# Altium PCB MercurialSDR.PcbDoc (part 3 of 6)
Units mil, origin at the board's own origin, x right, y up, seen from the top; angles counter-clockwise.
Board outline 3937.01 x 2362.2 mil, 2 copper layers (Top Layer, Bottom Layer); 147 components, 115 nets, 574 pads, 237 vias.
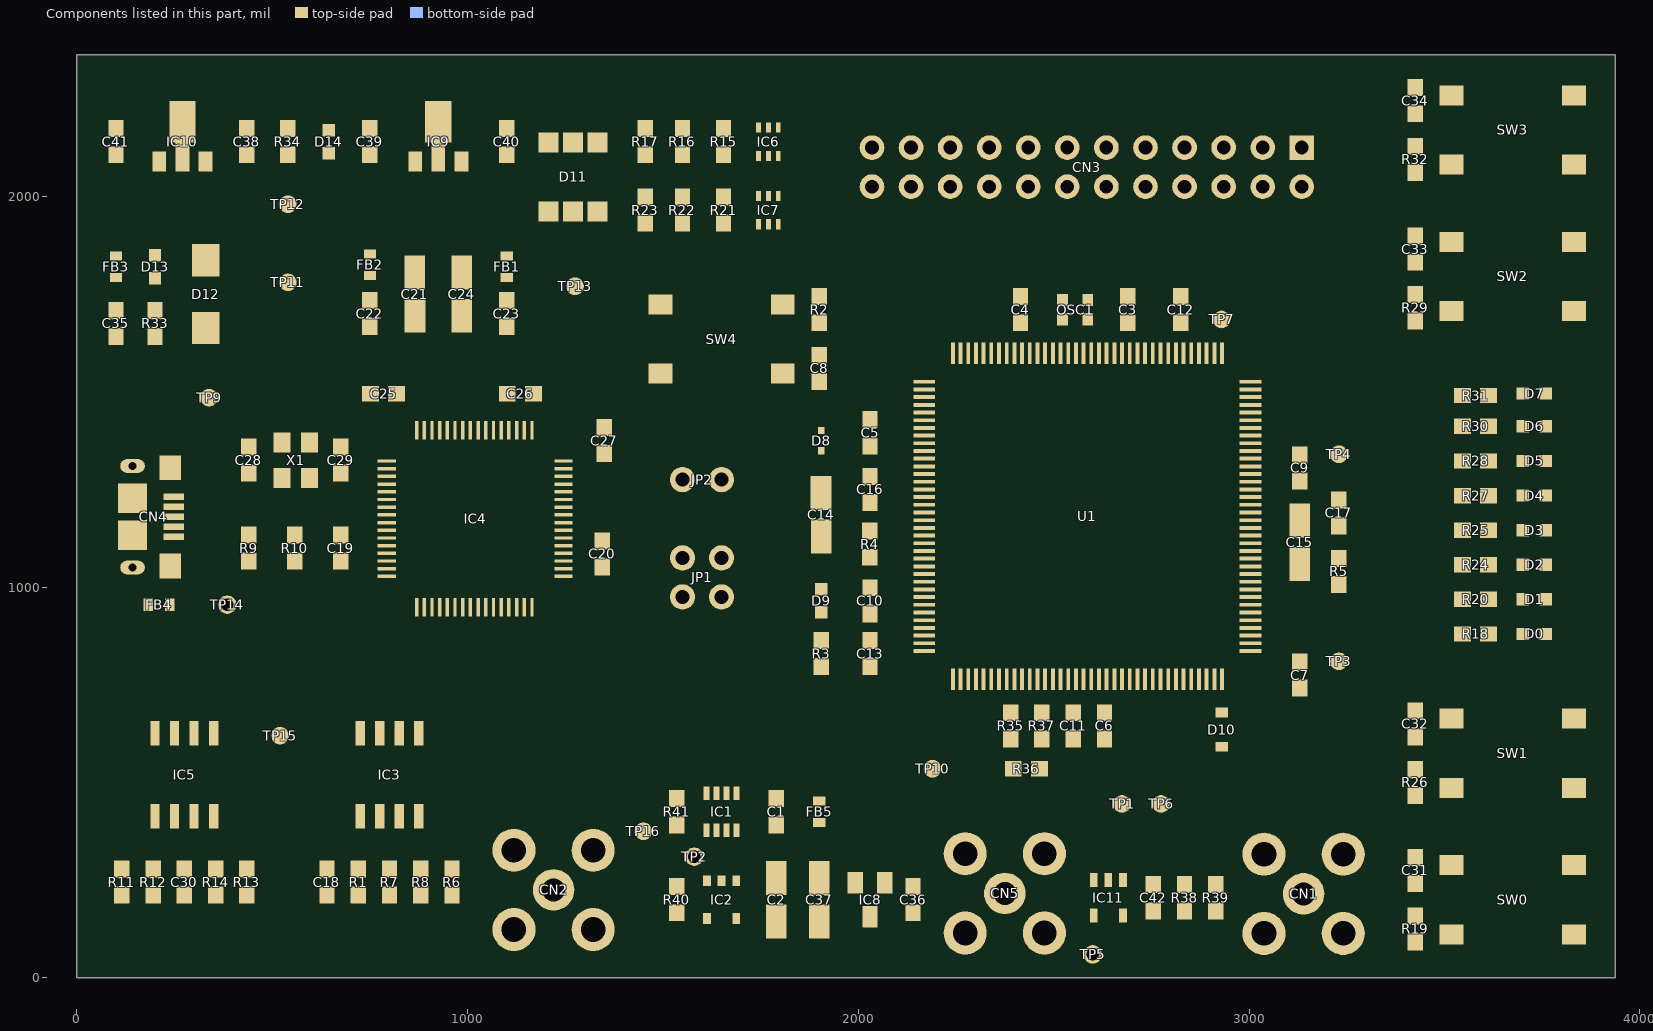
[diagram p3: the components of this part, seen from the top]

## Via types
v1: diameter 27.56, hole 15.75, Top Layer to Bottom Layer, tented both sides, 237 vias

## Nets (pads, with @x,y where several pads share a name; then routed paths per layer and width w, separated by ;. In a path a pad name is that pad's centre, name@x,y a point inside that pad or via, vN(x,y) a via of type N, cw(c..) or ccw(c..) an arc to the next point about the centre after c; other vN are vias at no path point) (continued)
copper on no net: (continued)
  Bottom Layer w0.9: 3622,790.6 3622,805.9 ; 3622.9,784.3 3622.9,813.1 ; 3623.8,779.8 3623.8,817.6 ; 3624.7,776.2 3624.7,821.2 ; 3625.6,772.6 3625.6,823.9 ; 3626.5,769.9 3626.5,794.2 ; 3626.5,803.2 3626.5,826.6 ; 3627.4,768.1 3627.4,786.1 ; 3627.4,810.4 3627.4,828.4 ; 3628.3,765.4 3628.3,781.6 ; 3628.3,814.9 3628.3,831.1 ; 3629.2,763.6 3629.2,778 ; 3629.2,818.5 3629.2,832.9 ; 3630.1,761.8 3630.1,774.4 ; 3630.1,822.1 3630.1,834.7 ; 3631,760 3631,771.7 ; 3631,824.8 3631,836.5 ; 3631.9,758.2 3631.9,769.9 ; 3631.9,826.6 3631.9,838.3 ; 3632.8,756.4 3632.8,767.2 ; 3632.8,829.3 3632.8,840.1 ; 3633.7,755.5 3633.7,765.4 ; 3633.7,831.1 3633.7,841.9 ; 3634.6,753.7 3634.6,763.6 ; 3634.6,792.4 3634.6,804.1 ; 3634.6,832.9 3634.6,842.8 ; 3635.5,751.9 3635.5,761.8 ; 3635.5,785.2 3635.5,811.3 ; 3635.5,834.7 3635.5,844.6 ; 3636.4,751 3636.4,760 ; 3636.4,781.6 3636.4,814.9 ; 3636.4,836.5 3636.4,845.5 ; 3637.3,750.1 3637.3,759.1 ; 3637.3,778 3637.3,818.5 ; 3637.3,838.3 3637.3,847.3 ; 3638.2,748.3 3638.2,757.3 ; 3638.2,775.3 3638.2,821.2 ; 3638.2,839.2 3638.2,848.2 ; 3639.1,747.4 3639.1,755.5 ; 3639.1,772.6 3639.1,796 ; 3639.1,800.5 3639.1,823.9 ; 3639.1,841 3639.1,849.1 ; 3640,746.5 3640,754.6 ; 3640,770.8 3640,787.9 ; 3640,809.5 3640,825.7 ; 3640,841.9 3640,850.9 ; 3640.9,744.7 3640.9,752.8 ; 3640.9,768.1 3640.9,783.4 ; 3640.9,813.1 3640.9,828.4 ; 3640.9,843.7 3640.9,851.8 ; 3641.8,743.8 3641.8,751.9 ; 3641.8,766.3 3641.8,779.8 ; 3641.8,816.7 3641.8,830.2 ; 3641.8,844.6 3641.8,852.7 ; 3642.7,742.9 3642.7,751 ; 3642.7,764.5 3642.7,777.1 ; 3642.7,819.4 3642.7,832 ; 3642.7,845.5 3642.7,853.6 ; 3643.6,742 3643.6,750.1 ; 3643.6,763.6 3643.6,774.4 ; 3643.6,822.1 3643.6,832.9 ; 3643.6,847.3 3643.6,854.5 ; 3644.5,741.1 3644.5,748.3 ; 3644.5,761.8 3644.5,772.6 ; 3644.5,823.9 3644.5,834.7 ; 3644.5,848.2 3644.5,855.4 ; 3645.4,740.2 3645.4,747.4 ; 3645.4,760 3645.4,770.8 ; 3645.4,825.7 3645.4,836.5 ; 3645.4,849.1 3645.4,856.3 ; 3646.3,739.3 3646.3,746.5 ; 3646.3,759.1 3646.3,769 ; 3646.3,827.5 3646.3,837.4 ; 3646.3,850 3646.3,857.2 ; 3647.2,738.4 3647.2,745.6 ; 3647.2,757.3 3647.2,767.2 ; 3647.2,829.3 3647.2,839.2 ; 3647.2,850.9 3647.2,858.1 ; 3648.1,737.5 3648.1,744.7 ; 3648.1,756.4 3648.1,765.4 ; 3648.1,831.1 3648.1,840.1 ; 3648.1,851.8 3648.1,859 ; 3649,736.6 3649,743.8 ; 3649,755.5 3649,763.6 ; 3649,832.9 3649,841 ; 3649,852.7 3649,859.9 ; 3649.9,735.7 3649.9,742.9 ; 3649.9,753.7 3649.9,762.7 ; 3649.9,833.8 3649.9,842.8 ; 3649.9,853.6 3649.9,860.8 ; 3650.8,734.8 3650.8,742 ; 3650.8,752.8 3650.8,760.9 ; 3650.8,835.6 3650.8,843.7 ; 3650.8,854.5 3650.8,861.7 ; 3651.7,733.9 3651.7,741.1 ; 3651.7,751.9 3651.7,760 ; 3651.7,836.5 3651.7,844.6 ; 3651.7,855.4 3651.7,862.6 ; 3652.6,733.9 3652.6,740.2 ; 3652.6,751 3652.6,759.1 ; 3652.6,838.3 3652.6,845.5 ; 3652.6,856.3 3652.6,862.6 ; 3653.5,733 3653.5,739.3 ; 3653.5,750.1 3653.5,757.3 ; 3653.5,839.2 3653.5,846.4 ; 3653.5,857.2 3653.5,863.5 ; 3654.4,732.1 3654.4,738.4 ; 3654.4,749.2 3654.4,756.4 ; 3654.4,840.1 3654.4,847.3 ; 3654.4,858.1 3654.4,864.4 ; 3655.3,731.2 3655.3,737.5 ; 3655.3,748.3 3655.3,755.5 ; 3655.3,841 3655.3,848.2 ; 3655.3,859 3655.3,865.3 ; 3656.2,731.2 3656.2,737.5 ; 3656.2,747.4 3656.2,754.6 ; 3656.2,841.9 3656.2,849.1 ; 3656.2,859.9 3656.2,865.3 ; 3657.1,730.3 3657.1,736.6 ; 3657.1,746.5 3657.1,753.7 ; 3657.1,842.8 3657.1,850 ; 3657.1,859.9 3657.1,866.2 ; 3658,729.4 3658,735.7 ; 3658,745.6 3658,752.8 ; 3658,843.7 3658,850.9 ; 3658,860.8 3658,867.1 ; 3658.9,729.4 3658.9,734.8 ; 3658.9,744.7 3658.9,751.9 ; 3658.9,844.6 3658.9,851.8 ; 3658.9,861.7 3658.9,868 ; 3659.8,728.5 3659.8,734.8 ; 3659.8,743.8 3659.8,751 ; 3659.8,845.5 3659.8,852.7 ; 3659.8,862.6 3659.8,868 ; 3660.7,727.6 3660.7,733.9 ; 3660.7,743.8 3660.7,750.1 ; 3660.7,846.4 3660.7,853.6 ; 3660.7,862.6 3660.7,868.9 ; 3661.6,727.6 3661.6,733 ; 3661.6,742.9 3661.6,749.2 ; 3661.6,847.3 3661.6,853.6 ; 3661.6,863.5 3661.6,868.9 ; 3662.5,726.7 3662.5,733 ; 3662.5,742 3662.5,748.3 ; 3662.5,848.2 3662.5,854.5 ; 3662.5,864.4 3662.5,869.8 ; 3663.4,312.7 3663.4,329.8 ; 3663.4,499.9 3663.4,516.1 ; 3663.4,726.7 3663.4,732.1 ; 3663.4,741.1 3663.4,747.4 ; 3663.4,849.1 3663.4,855.4 ; 3663.4,864.4 3663.4,870.7 ; 3664.3,218.2 3664.3,221.8 ; 3664.3,309.1 3664.3,333.4 ; 3664.3,495.4 3664.3,520.6 ; 3664.3,725.8 3664.3,731.2 ; 3664.3,741.1 3664.3,746.5 ; 3664.3,850 3664.3,856.3 ; 3664.3,865.3 3664.3,870.7 ; 3665.2,142.6 3665.2,153.4 ; 3665.2,160.6 3665.2,164.2 ; 3665.2,167.8 3665.2,182.2 ; 3665.2,188.5 3665.2,192.1 ; 3665.2,194.8 3665.2,198.4 ; 3665.2,206.5 3665.2,210.1 ; 3665.2,215.5 3665.2,224.5 ; 3665.2,235.3 3665.2,238.9 ; 3665.2,244.3 3665.2,256 ; 3665.2,306.4 3665.2,336.1 ; 3665.2,384.7 3665.2,430.6 ; 3665.2,492.7 3665.2,523.3 ; 3665.2,548.5 3665.2,611.5 ; 3665.2,621.4 3665.2,635.8 ; 3665.2,671.8 3665.2,685.3 ; 3665.2,724.9 3665.2,731.2 ; 3665.2,740.2 3665.2,746.5 ; 3665.2,764.5 3665.2,778 ; 3665.2,792.4 3665.2,805 ; 3665.2,819.4 3665.2,833.8 ; 3665.2,850 3665.2,856.3 ; 3665.2,865.3 3665.2,871.6 ; 3666.1,140.8 3666.1,153.4 ; 3666.1,159.7 3666.1,165.1 ; 3666.1,167.8 3666.1,182.2 ; 3666.1,188.5 3666.1,192.1 ; 3666.1,194.8 3666.1,198.4 ; 3666.1,206.5 3666.1,210.1 ; 3666.1,213.7 3666.1,225.4 ; 3666.1,234.4 3666.1,239.8 ; 3666.1,244.3 3666.1,256 ; 3666.1,303.7 3666.1,338.8 ; 3666.1,382 3666.1,430.6 ; 3666.1,490.9 3666.1,525.1 ; 3666.1,548.5 3666.1,611.5 ; 3666.1,621.4 3666.1,635.8 ; 3666.1,671.8 3666.1,685.3 ; 3666.1,724.9 3666.1,730.3 ; 3666.1,739.3 3666.1,745.6 ; 3666.1,764.5 3666.1,778 ; 3666.1,792.4 3666.1,805 ; 3666.1,819.4 3666.1,833.8 ; 3666.1,850.9 3666.1,857.2 ; 3666.1,866.2 3666.1,871.6 ; 3667,139.9 3667,153.4 ; 3667,159.7 3667,165.1 ; 3667,167.8 3667,182.2 ; 3667,188.5 3667,192.1 ; 3667,194.8 3667,198.4 ; 3667,206.5 3667,210.1 ; 3667,212.8 3667,226.3 ; 3667,234.4 3667,239.8 ; 3667,244.3 3667,256 ; 3667,302.8 3667,340.6 ; 3667,379.3 3667,430.6 ; 3667,489.1 3667,526.9 ; 3667,548.5 3667,611.5 ; 3667,621.4 3667,635.8 ; 3667,671.8 3667,685.3 ; 3667,724 3667,730.3 ; 3667,739.3 3667,744.7 ; 3667,764.5 3667,778 ; 3667,792.4 3667,805 ; 3667,819.4 3667,833.8 ; 3667,851.8 3667,858.1 ; 3667,867.1 3667,872.5 ; 3667.9,139 3667.9,144.4 ; 3667.9,149.8 3667.9,153.4 ; 3667.9,159.7 3667.9,165.1 ; 3667.9,173.2 3667.9,176.8 ; 3667.9,188.5 3667.9,192.1 ; 3667.9,194.8 3667.9,198.4 ; 3667.9,206.5 3667.9,210.1 ; 3667.9,212.8 3667.9,217.3 ; 3667.9,222.7 3667.9,227.2 ; 3667.9,234.4 3667.9,239.8 ; 3667.9,253.3 3667.9,256 ; 3667.9,301 3667.9,341.5 ; 3667.9,377.5 3667.9,430.6 ; 3667.9,487.3 3667.9,528.7 ; 3667.9,548.5 3667.9,611.5 ; 3667.9,621.4 3667.9,635.8 ; 3667.9,671.8 3667.9,685.3 ; 3667.9,724 3667.9,729.4 ; 3667.9,738.4 3667.9,744.7 ; 3667.9,764.5 3667.9,778 ; 3667.9,792.4 3667.9,805 ; 3667.9,819.4 3667.9,833.8 ; 3667.9,852.7 3667.9,858.1 ; 3667.9,867.1 3667.9,872.5 ; 3668.8,138.1 3668.8,142.6 ; 3668.8,149.8 3668.8,153.4 ; 3668.8,158.8 3668.8,166 ; 3668.8,173.2 3668.8,176.8 ; 3668.8,188.5 3668.8,192.1 ; 3668.8,194.8 3668.8,198.4 ; 3668.8,206.5 3668.8,210.1 ; 3668.8,211.9 3668.8,216.4 ; 3668.8,223.6 3668.8,227.2 ; 3668.8,233.5 3668.8,240.7 ; 3668.8,253.3 3668.8,256 ; 3668.8,299.2 3668.8,343.3 ; 3668.8,376.6 3668.8,430.6 ; 3668.8,486.4 3668.8,529.6 ; 3668.8,548.5 3668.8,611.5 ; 3668.8,621.4 3668.8,635.8 ; 3668.8,671.8 3668.8,685.3 ; 3668.8,723.1 3668.8,728.5 ; 3668.8,737.5 3668.8,743.8 ; 3668.8,764.5 3668.8,778.9 ; 3668.8,792.4 3668.8,805 ; 3668.8,819.4 3668.8,833.8 ; 3668.8,852.7 3668.8,859 ; 3668.8,868 3668.8,873.4 ; 3669.7,138.1 3669.7,141.7 ; 3669.7,149.8 3669.7,153.4 ; 3669.7,158.8 3669.7,166 ; 3669.7,173.2 3669.7,176.8 ; 3669.7,188.5 3669.7,192.1 ; 3669.7,194.8 3669.7,198.4 ; 3669.7,206.5 3669.7,210.1 ; 3669.7,211.9 3669.7,215.5 ; 3669.7,224.5 3669.7,228.1 ; 3669.7,233.5 3669.7,240.7 ; 3669.7,253.3 3669.7,256 ; 3669.7,298.3 3669.7,344.2 ; 3669.7,375.7 3669.7,430.6 ; 3669.7,485.5 3669.7,530.5 ; 3669.7,548.5 3669.7,611.5 ; 3669.7,621.4 3669.7,635.8 ; 3669.7,671.8 3669.7,685.3 ; 3669.7,723.1 3669.7,728.5 ; 3669.7,737.5 3669.7,742.9 ; 3669.7,764.5 3669.7,778.9 ; 3669.7,792.4 3669.7,805 ; 3669.7,818.5 3669.7,832.9 ; 3669.7,853.6 3669.7,859 ; 3669.7,868 3669.7,873.4 ; 3670.6,138.1 3670.6,141.7 ; 3670.6,149.8 3670.6,153.4 ; 3670.6,157.9 3670.6,161.5 ; 3670.6,163.3 3670.6,166.9 ; 3670.6,173.2 3670.6,176.8 ; 3670.6,188.5 3670.6,192.1 ; 3670.6,194.8 3670.6,198.4 ; 3670.6,206.5 3670.6,210.1 ; 3670.6,211.9 3670.6,215.5 ; 3670.6,224.5 3670.6,228.1 ; 3670.6,232.6 3670.6,236.2 ; 3670.6,238 3670.6,241.6 ; 3670.6,253.3 3670.6,256 ; 3670.6,297.4 3670.6,345.1 ; 3670.6,374.8 3670.6,430.6 ; 3670.6,484.6 3670.6,532.3 ; 3670.6,548.5 3670.6,611.5 ; 3670.6,621.4 3670.6,635.8 ; 3670.6,671.8 3670.6,685.3 ; 3670.6,722.2 3670.6,727.6 ; 3670.6,736.6 3670.6,742.9 ; 3670.6,764.5 3670.6,778.9 ; 3670.6,792.4 3670.6,805 ; 3670.6,818.5 3670.6,832.9 ; 3670.6,854.5 3670.6,859.9 ; 3670.6,868.9 3670.6,874.3 ; 3671.5,138.1 3671.5,140.8 ; 3671.5,149.8 3671.5,153.4 ; 3671.5,157.9 3671.5,161.5 ; 3671.5,163.3 3671.5,166.9 ; 3671.5,173.2 3671.5,176.8 ; 3671.5,188.5 3671.5,192.1 ; 3671.5,194.8 3671.5,198.4 ; 3671.5,206.5 3671.5,210.1 ; 3671.5,225.4 3671.5,228.1 ; 3671.5,232.6 3671.5,236.2 ; 3671.5,238 3671.5,241.6 ; 3671.5,253.3 3671.5,256 ; 3671.5,296.5 3671.5,346 ; 3671.5,373.9 3671.5,430.6 ; 3671.5,483.7 3671.5,533.2 ; 3671.5,548.5 3671.5,611.5 ; 3671.5,621.4 3671.5,635.8 ; 3671.5,671.8 3671.5,685.3 ; 3671.5,722.2 3671.5,727.6 ; 3671.5,736.6 3671.5,742 ; 3671.5,764.5 3671.5,778.9 ; 3671.5,792.4 3671.5,805 ; 3671.5,818.5 3671.5,832.9 ; 3671.5,854.5 3671.5,859.9 ; 3671.5,868.9 3671.5,874.3 ; 3672.4,138.1 3672.4,140.8 ; 3672.4,149.8 3672.4,153.4 ; 3672.4,157.9 3672.4,161.5 ; 3672.4,164.2 3672.4,166.9 ; 3672.4,173.2 3672.4,176.8 ; 3672.4,188.5 3672.4,192.1 ; 3672.4,194.8 3672.4,198.4 ; 3672.4,206.5 3672.4,210.1 ; 3672.4,225.4 3672.4,228.1 ; 3672.4,232.6 3672.4,236.2 ; 3672.4,238 3672.4,241.6 ; 3672.4,245.2 3672.4,256 ; 3672.4,295.6 3672.4,346.9 ; 3672.4,373 3672.4,430.6 ; 3672.4,482.8 3672.4,533.2 ; 3672.4,548.5 3672.4,611.5 ; 3672.4,621.4 3672.4,635.8 ; 3672.4,671.8 3672.4,685.3 ; 3672.4,722.2 3672.4,727.6 ; 3672.4,735.7 3672.4,741.1 ; 3672.4,764.5 3672.4,779.8 ; 3672.4,792.4 3672.4,805 ; 3672.4,818.5 3672.4,832.9 ; 3672.4,855.4 3672.4,860.8 ; 3672.4,869.8 3672.4,875.2 ; 3673.3,137.2 3673.3,140.8 ; 3673.3,149.8 3673.3,153.4 ; 3673.3,157 3673.3,160.6 ; 3673.3,164.2 3673.3,167.8 ; 3673.3,173.2 3673.3,176.8 ; 3673.3,188.5 3673.3,192.1 ; 3673.3,194.8 3673.3,198.4 ; 3673.3,206.5 3673.3,210.1 ; 3673.3,225.4 3673.3,228.1 ; 3673.3,231.7 3673.3,235.3 ; 3673.3,238.9 3673.3,242.5 ; 3673.3,245.2 3673.3,256 ; 3673.3,294.7 3673.3,347.8 ; 3673.3,372.1 3673.3,430.6 ; 3673.3,481.9 3673.3,534.1 ; 3673.3,548.5 3673.3,611.5 ; 3673.3,621.4 3673.3,635.8 ; 3673.3,671.8 3673.3,685.3 ; 3673.3,721.3 3673.3,726.7 ; 3673.3,735.7 3673.3,741.1 ; 3673.3,764.5 3673.3,779.8 ; 3673.3,792.4 3673.3,805 ; 3673.3,817.6 3673.3,832.9 ; 3673.3,855.4 3673.3,860.8 ; 3673.3,869.8 3673.3,875.2 ; 3674.2,137.2 3674.2,140.8 ; 3674.2,149.8 3674.2,153.4 ; 3674.2,157 3674.2,160.6 ; 3674.2,164.2 3674.2,167.8 ; 3674.2,173.2 3674.2,176.8 ; 3674.2,188.5 3674.2,192.1 ; 3674.2,194.8 3674.2,198.4 ; 3674.2,206.5 3674.2,210.1 ; 3674.2,225.4 3674.2,228.1 ; 3674.2,231.7 3674.2,235.3 ; 3674.2,238.9 3674.2,242.5 ; 3674.2,245.2 3674.2,256 ; 3674.2,294.7 3674.2,347.8 ; 3674.2,372.1 3674.2,430.6 ; 3674.2,481 3674.2,535 ; 3674.2,548.5 3674.2,611.5 ; 3674.2,621.4 3674.2,635.8 ; 3674.2,671.8 3674.2,685.3 ; 3674.2,721.3 3674.2,726.7 ; 3674.2,734.8 3674.2,740.2 ; 3674.2,764.5 3674.2,779.8 ; 3674.2,792.4 3674.2,805 ; 3674.2,817.6 3674.2,832.9 ; 3674.2,856.3 3674.2,861.7 ; 3674.2,869.8 3674.2,875.2 ; 3675.1,138.1 3675.1,140.8 ; 3675.1,149.8 3675.1,153.4 ; 3675.1,157 3675.1,168.7 ; 3675.1,173.2 3675.1,176.8 ; 3675.1,188.5 3675.1,192.1 ; 3675.1,194.8 3675.1,198.4 ; 3675.1,206.5 3675.1,210.1 ; 3675.1,225.4 3675.1,228.1 ; 3675.1,230.8 3675.1,242.5 ; 3675.1,253.3 3675.1,256 ; 3675.1,293.8 3675.1,348.7 ; 3675.1,371.2 3675.1,430.6 ; 3675.1,480.1 3675.1,535.9 ; 3675.1,548.5 3675.1,611.5 ; 3675.1,621.4 3675.1,635.8 ; 3675.1,671.8 3675.1,685.3 ; 3675.1,720.4 3675.1,725.8 ; 3675.1,734.8 3675.1,740.2 ; 3675.1,765.4 3675.1,780.7 ; 3675.1,792.4 3675.1,805 ; 3675.1,816.7 3675.1,832 ; 3675.1,856.3 3675.1,861.7 ; 3675.1,870.7 3675.1,876.1 ; 3676,138.1 3676,140.8 ; 3676,149.8 3676,153.4 ; 3676,156.1 3676,168.7 ; 3676,173.2 3676,176.8 ; 3676,188.5 3676,192.1 ; 3676,194.8 3676,198.4 ; 3676,206.5 3676,210.1 ; 3676,211.9 3676,215.5 ; 3676,225.4 3676,228.1 ; 3676,230.8 3676,243.4 ; 3676,253.3 3676,256 ; 3676,292.9 3676,315.4 ; 3676,327.1 3676,349.6 ; 3676,371.2 3676,430.6 ; 3676,480.1 3676,501.7 ; 3676,514.3 3676,535.9 ; 3676,548.5 3676,611.5 ; 3676,621.4 3676,635.8 ; 3676,671.8 3676,685.3 ; 3676,720.4 3676,725.8 ; 3676,733.9 3676,739.3 ; 3676,765.4 3676,781.6 ; 3676,792.4 3676,805 ; 3676,816.7 3676,832 ; 3676,857.2 3676,862.6 ; 3676,870.7 3676,876.1 ; 3676.9,138.1 3676.9,141.7 ; 3676.9,149.8 3676.9,153.4 ; 3676.9,156.1 3676.9,168.7 ; 3676.9,173.2 3676.9,176.8 ; 3676.9,188.5 3676.9,192.1 ; 3676.9,194.8 3676.9,198.4 ; 3676.9,206.5 3676.9,210.1 ; 3676.9,211.9 3676.9,215.5 ; 3676.9,224.5 3676.9,228.1 ; 3676.9,230.8 3676.9,243.4 ; 3676.9,253.3 3676.9,256 ; 3676.9,292.9 3676.9,312.7 ; 3676.9,329.8 3676.9,349.6 ; 3676.9,370.3 3676.9,390.1 ; 3676.9,416.2 3676.9,430.6 ; 3676.9,479.2 3676.9,499 ; 3676.9,517 3676.9,536.8 ; 3676.9,548.5 3676.9,611.5 ; 3676.9,621.4 3676.9,635.8 ; 3676.9,671.8 3676.9,685.3 ; 3676.9,720.4 3676.9,724.9 ; 3676.9,733.9 3676.9,739.3 ; 3676.9,765.4 3676.9,781.6 ; 3676.9,792.4 3676.9,805 ; 3676.9,815.8 3676.9,832 ; 3676.9,857.2 3676.9,862.6 ; 3676.9,871.6 3676.9,876.1 ; 3677.8,138.1 3677.8,141.7 ; 3677.8,149.8 3677.8,153.4 ; 3677.8,155.2 3677.8,158.8 ; 3677.8,166 3677.8,169.6 ; 3677.8,173.2 3677.8,176.8 ; 3677.8,188.5 3677.8,192.1 ; 3677.8,194.8 3677.8,198.4 ; 3677.8,206.5 3677.8,210.1 ; 3677.8,211.9 3677.8,215.5 ; 3677.8,224.5 3677.8,228.1 ; 3677.8,229.9 3677.8,233.5 ; 3677.8,240.7 3677.8,244.3 ; 3677.8,253.3 3677.8,256 ; 3677.8,292 3677.8,310.9 ; 3677.8,331.6 3677.8,350.5 ; 3677.8,370.3 3677.8,388.3 ; 3677.8,416.2 3677.8,430.6 ; 3677.8,479.2 3677.8,497.2 ; 3677.8,518.8 3677.8,536.8 ; 3677.8,572.8 3677.8,587.2 ; 3677.8,621.4 3677.8,635.8 ; 3677.8,671.8 3677.8,685.3 ; 3677.8,719.5 3677.8,724.9 ; 3677.8,733 3677.8,738.4 ; 3677.8,766.3 3677.8,782.5 ; 3677.8,792.4 3677.8,805 ; 3677.8,814.9 3677.8,832 ; 3677.8,858.1 3677.8,863.5 ; 3677.8,871.6 3677.8,877 ; 3678.7,138.1 3678.7,142.6 ; 3678.7,149.8 3678.7,153.4 ; 3678.7,155.2 3678.7,158.8 ; 3678.7,166 3678.7,169.6 ; 3678.7,173.2 3678.7,176.8 ; 3678.7,188.5 3678.7,192.1 ; 3678.7,194.8 3678.7,199.3 ; 3678.7,206.5 3678.7,210.1 ; 3678.7,212.8 3678.7,216.4 ; 3678.7,223.6 3678.7,228.1 ; 3678.7,229.9 3678.7,233.5 ; 3678.7,240.7 3678.7,244.3 ; 3678.7,253.3 3678.7,256 ; 3678.7,292 3678.7,309.1 ; 3678.7,333.4 3678.7,350.5 ; 3678.7,370.3 3678.7,387.4 ; 3678.7,416.2 3678.7,430.6 ; 3678.7,478.3 3678.7,496.3 ; 3678.7,519.7 3678.7,537.7 ; 3678.7,572.8 3678.7,587.2 ; 3678.7,621.4 3678.7,635.8 ; 3678.7,671.8 3678.7,685.3 ; 3678.7,719.5 3678.7,724.9 ; 3678.7,733 3678.7,738.4 ; 3678.7,766.3 3678.7,783.4 ; 3678.7,792.4 3678.7,805 ; 3678.7,814.9 3678.7,831.1 ; 3678.7,858.1 3678.7,863.5 ; 3678.7,871.6 3678.7,877 ; 3679.6,139 3679.6,144.4 ; 3679.6,149.8 3679.6,153.4 ; 3679.6,155.2 3679.6,158.8 ; 3679.6,166 3679.6,169.6 ; 3679.6,173.2 3679.6,176.8 ; 3679.6,188.5 3679.6,192.1 ; 3679.6,195.7 3679.6,199.3 ; 3679.6,205.6 3679.6,209.2 ; 3679.6,212.8 3679.6,217.3 ; 3679.6,222.7 3679.6,227.2 ; 3679.6,229.9 3679.6,233.5 ; 3679.6,240.7 3679.6,244.3 ; 3679.6,253.3 3679.6,256 ; 3679.6,291.1 3679.6,308.2 ; 3679.6,334.3 3679.6,351.4 ; 3679.6,370.3 3679.6,386.5 ; 3679.6,416.2 3679.6,430.6 ; 3679.6,478.3 3679.6,495.4 ; 3679.6,520.6 3679.6,537.7 ; 3679.6,572.8 3679.6,587.2 ; 3679.6,621.4 3679.6,635.8 ; 3679.6,671.8 3679.6,685.3 ; 3679.6,719.5 3679.6,724 ; 3679.6,733 3679.6,737.5 ; 3679.6,766.3 3679.6,784.3 ; 3679.6,792.4 3679.6,805 ; 3679.6,814 3679.6,831.1 ; 3679.6,859 3679.6,864.4 ; 3679.6,872.5 3679.6,877 ; 3680.5,139.9 3680.5,153.4 ; 3680.5,154.3 3680.5,157.9 ; 3680.5,166.9 3680.5,170.5 ; 3680.5,173.2 3680.5,176.8 ; 3680.5,179.5 3680.5,192.1 ; 3680.5,195.7 3680.5,202 ; 3680.5,202.9 3680.5,209.2 ; 3680.5,213.7 3680.5,219.1 ; 3680.5,220.9 3680.5,227.2 ; 3680.5,229 3680.5,232.6 ; 3680.5,241.6 3680.5,245.2 ; 3680.5,253.3 3680.5,256 ; 3680.5,291.1 3680.5,307.3 ; 3680.5,335.2 3680.5,351.4 ; 3680.5,370.3 3680.5,385.6 ; 3680.5,416.2 3680.5,430.6 ; 3680.5,478.3 3680.5,494.5 ; 3680.5,521.5 3680.5,538.6 ; 3680.5,572.8 3680.5,587.2 ; 3680.5,621.4 3680.5,635.8 ; 3680.5,671.8 3680.5,685.3 ; 3680.5,718.6 3680.5,724 ; 3680.5,732.1 3680.5,737.5 ; 3680.5,767.2 3680.5,785.2 ; 3680.5,792.4 3680.5,805 ; 3680.5,813.1 3680.5,830.2 ; 3680.5,859 3680.5,864.4 ; 3680.5,872.5 3680.5,877.9 ; 3681.4,140.8 3681.4,153.4 ; 3681.4,154.3 3681.4,157.9 ; 3681.4,166.9 3681.4,170.5 ; 3681.4,173.2 3681.4,176.8 ; 3681.4,179.5 3681.4,192.1 ; 3681.4,196.6 3681.4,208.3 ; 3681.4,213.7 3681.4,226.3 ; 3681.4,229 3681.4,232.6 ; 3681.4,241.6 3681.4,245.2 ; 3681.4,253.3 3681.4,256 ; 3681.4,291.1 3681.4,307.3 ; 3681.4,336.1 3681.4,351.4 ; 3681.4,369.4 3681.4,384.7 ; 3681.4,416.2 3681.4,430.6 ; 3681.4,477.4 3681.4,493.6 ; 3681.4,522.4 3681.4,538.6 ; 3681.4,572.8 3681.4,587.2 ; 3681.4,621.4 3681.4,635.8 ; 3681.4,671.8 3681.4,685.3 ; 3681.4,718.6 3681.4,724 ; 3681.4,732.1 3681.4,737.5 ; 3681.4,767.2 3681.4,786.1 ; 3681.4,792.4 3681.4,805 ; 3681.4,811.3 3681.4,830.2 ; 3681.4,859 3681.4,864.4 ; 3681.4,872.5 3681.4,877.9 ; 3682.3,141.7 3682.3,157.9 ; 3682.3,167.8 3682.3,171.4 ; 3682.3,173.2 3682.3,176.8 ; 3682.3,179.5 3682.3,192.1 ; 3682.3,197.5 3682.3,207.4 ; 3682.3,215.5 3682.3,224.5 ; 3682.3,228.1 3682.3,232.6 ; 3682.3,242.5 3682.3,246.1 ; 3682.3,253.3 3682.3,256 ; 3682.3,290.2 3682.3,306.4 ; 3682.3,336.1 3682.3,352.3 ; 3682.3,369.4 3682.3,384.7 ; 3682.3,416.2 3682.3,430.6 ; 3682.3,477.4 3682.3,492.7 ; 3682.3,523.3 3682.3,538.6 ; 3682.3,572.8 3682.3,587.2 ; 3682.3,621.4 3682.3,635.8 ; 3682.3,671.8 3682.3,685.3 ; 3682.3,718.6 3682.3,723.1 ; 3682.3,732.1 3682.3,736.6 ; 3682.3,768.1 3682.3,787 ; 3682.3,792.4 3682.3,805 ; 3682.3,810.4 3682.3,829.3 ; 3682.3,859.9 3682.3,865.3 ; 3682.3,873.4 3682.3,877.9 ; 3683.2,199.3 3683.2,205.6 ; 3683.2,217.3 3683.2,222.7 ; 3683.2,290.2 3683.2,305.5 ; 3683.2,337 3683.2,352.3 ; 3683.2,369.4 3683.2,384.7 ; 3683.2,416.2 3683.2,430.6 ; 3683.2,477.4 3683.2,492.7 ; 3683.2,523.3 3683.2,538.6 ; 3683.2,572.8 3683.2,587.2 ; 3683.2,621.4 3683.2,635.8 ; 3683.2,671.8 3683.2,685.3 ; 3683.2,718.6 3683.2,723.1 ; 3683.2,731.2 3683.2,736.6 ; 3683.2,768.1 3683.2,788.8 ; 3683.2,792.4 3683.2,805 ; 3683.2,809.5 3683.2,829.3 ; 3683.2,859.9 3683.2,865.3 ; 3683.2,873.4 3683.2,878.8 ; 3684.1,290.2 3684.1,305.5 ; 3684.1,337 3684.1,352.3 ; 3684.1,369.4 3684.1,383.8 ; 3684.1,416.2 3684.1,430.6 ; 3684.1,476.5 3684.1,491.8 ; 3684.1,524.2 3684.1,539.5 ; 3684.1,572.8 3684.1,587.2 ; 3684.1,621.4 3684.1,635.8 ; 3684.1,671.8 3684.1,685.3 ; 3684.1,717.7 3684.1,723.1 ; 3684.1,731.2 3684.1,736.6 ; 3684.1,769 3684.1,790.6 ; 3684.1,792.4 3684.1,805 ; 3684.1,807.7 3684.1,828.4 ; 3684.1,860.8 3684.1,865.3 ; 3684.1,873.4 3684.1,878.8 ; 3685,290.2 3685,305.5 ; 3685,337.9 3685,352.3 ; 3685,369.4 3685,383.8 ; 3685,416.2 3685,430.6 ; 3685,476.5 3685,491.8 ; 3685,524.2 3685,539.5 ; 3685,572.8 3685,587.2 ; 3685,621.4 3685,635.8 ; 3685,671.8 3685,685.3 ; 3685,717.7 3685,723.1 ; 3685,731.2 3685,735.7 ; 3685,769.9 3685,827.5 ; 3685,860.8 3685,866.2 ; 3685,874.3 3685,878.8 ; 3685.9,290.2 3685.9,304.6 ; 3685.9,337.9 3685.9,353.2 ; 3685.9,369.4 3685.9,383.8 ; 3685.9,416.2 3685.9,430.6 ; 3685.9,476.5 3685.9,491.8 ; 3685.9,524.2 3685.9,539.5 ; 3685.9,572.8 3685.9,587.2 ; 3685.9,621.4 3685.9,635.8 ; 3685.9,671.8 3685.9,685.3 ; 3685.9,717.7 3685.9,722.2 ; 3685.9,730.3 3685.9,735.7 ; 3685.9,769.9 3685.9,827.5 ; 3685.9,860.8 3685.9,866.2 ; 3685.9,874.3 3685.9,878.8 ; 3686.8,289.3 3686.8,304.6 ; 3686.8,337.9 3686.8,353.2 ; 3686.8,369.4 3686.8,383.8 ; 3686.8,416.2 3686.8,430.6 ; 3686.8,476.5 3686.8,490.9 ; 3686.8,525.1 3686.8,539.5 ; 3686.8,572.8 3686.8,587.2 